# Altium PCB Meter50_v6.PcbDoc (part 2 of 3)
Units mil, origin at the board's own origin, x right, y up, seen from the top; angles counter-clockwise.
Board outline 6230.47 x 4006.06 mil, 2 copper layers (Top Layer, Top, Bottom Layer, Bottom); 337 components, 363 nets, 1191 pads, 241 vias.
Unrouted connection lines stored in the file: 2.
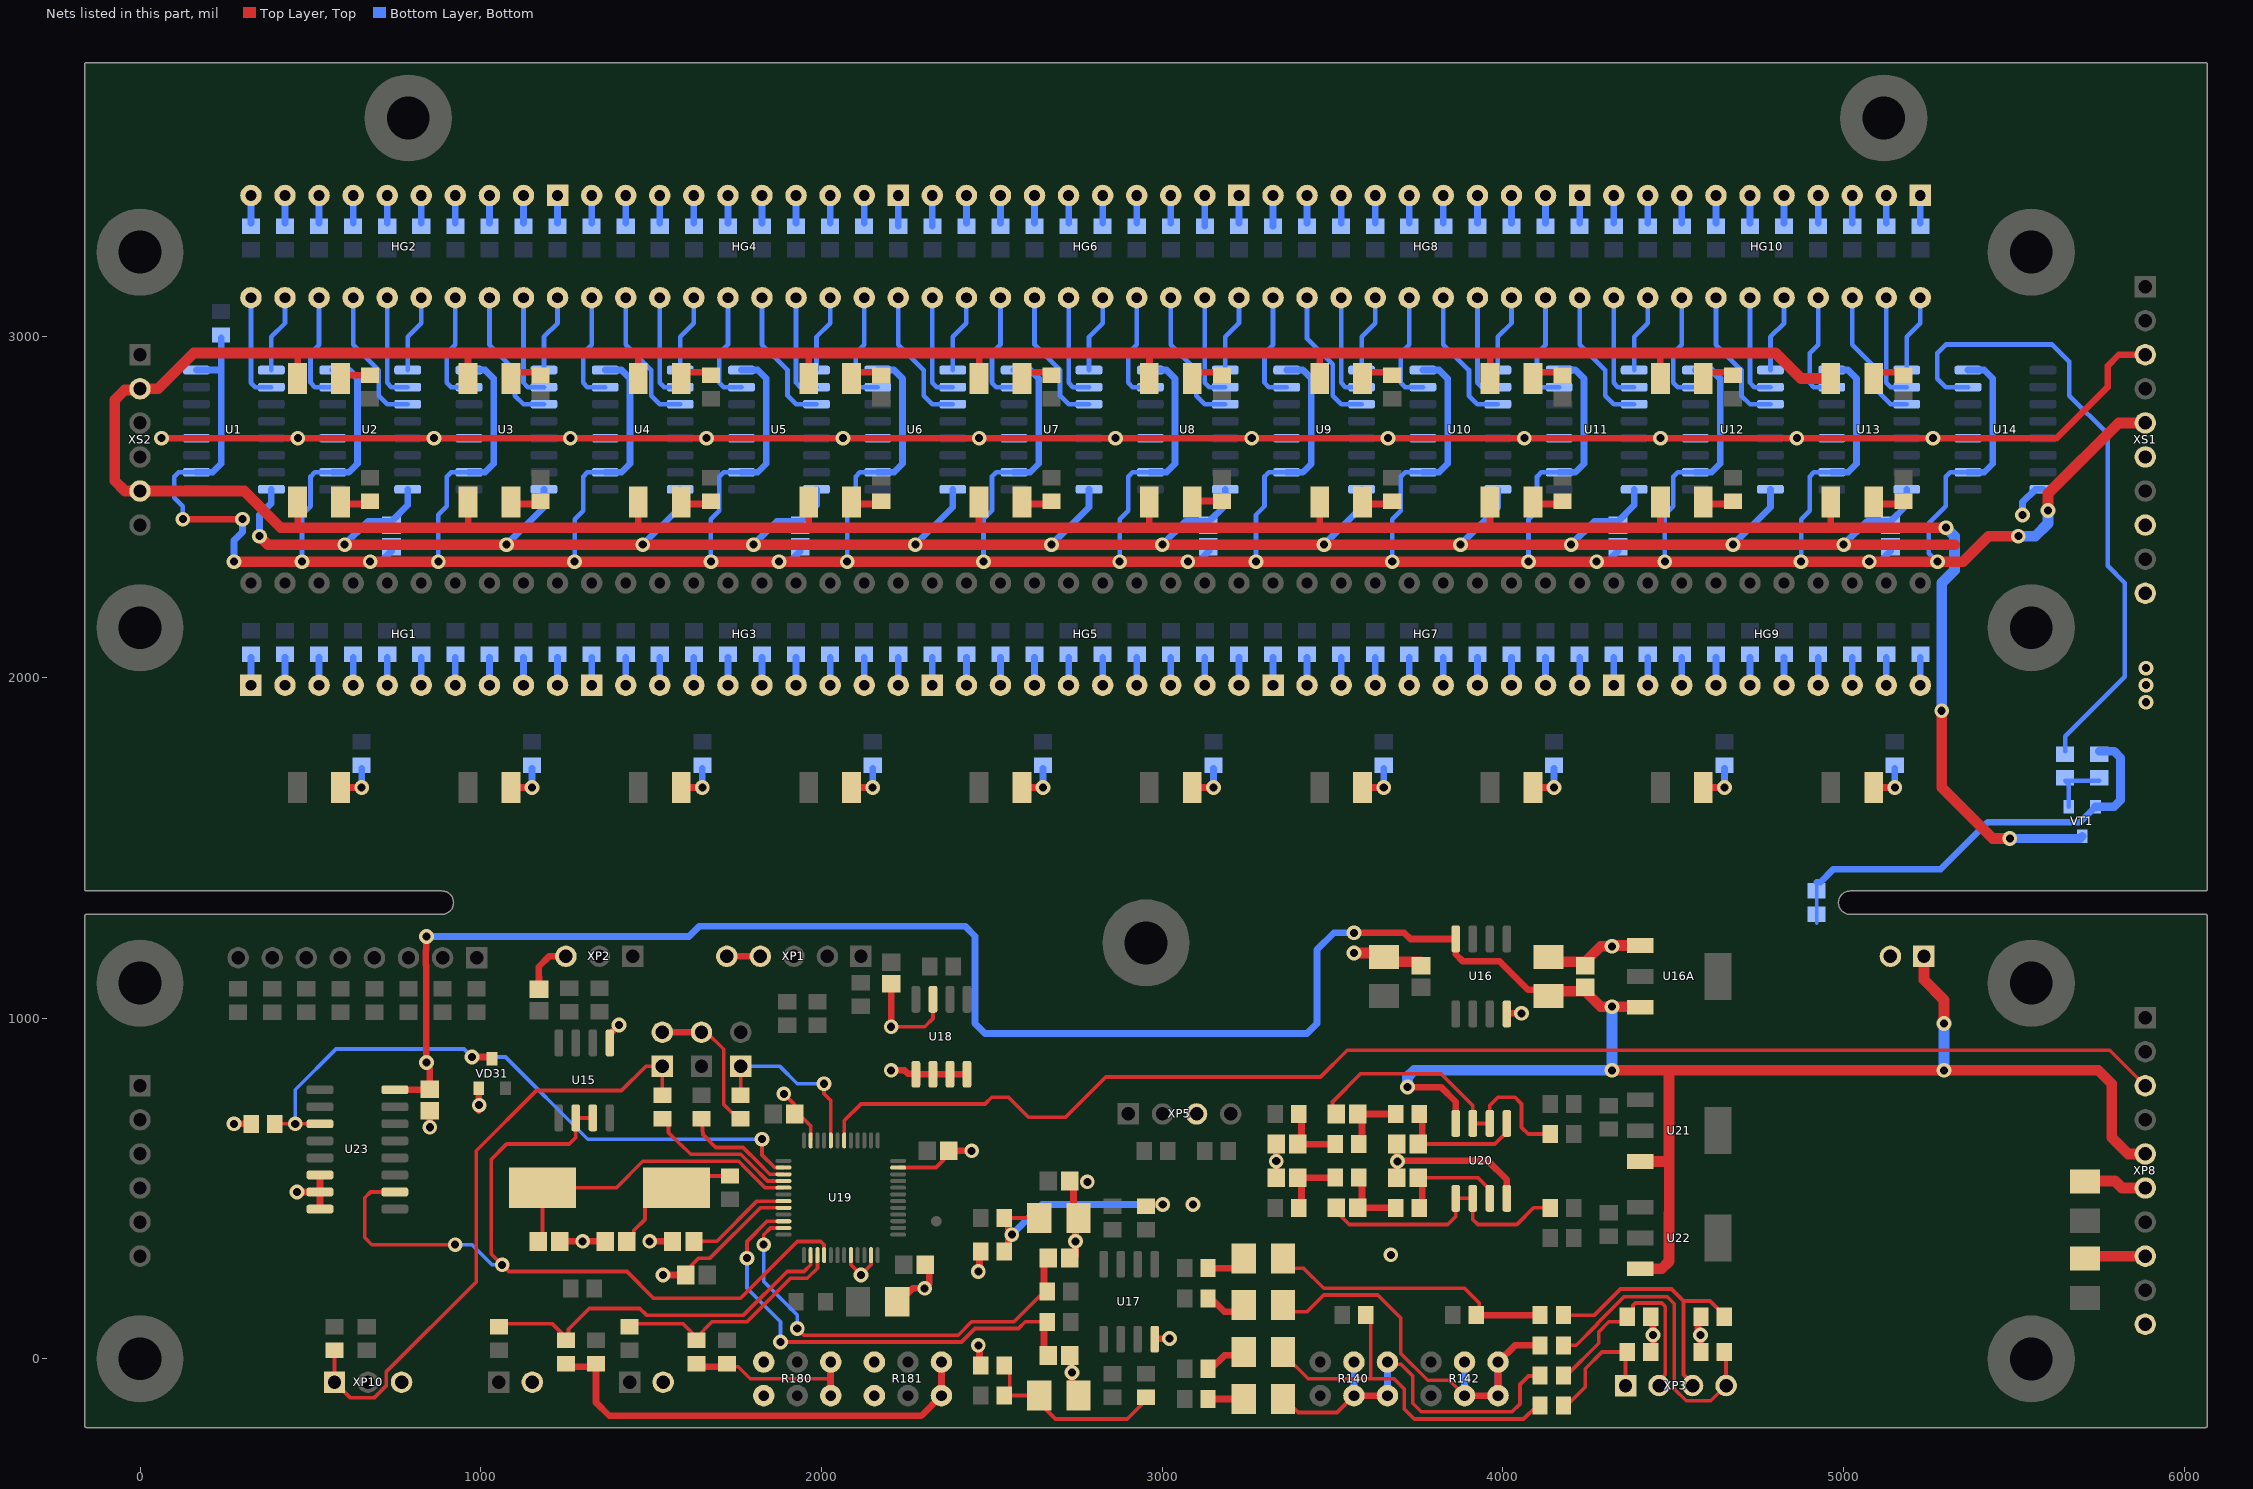
[diagram p2: the nets of this part, all layers, seen from the top]

## Via types
v1: diameter 43.31, hole 23.62, Top Layer, Top to Bottom Layer, Bottom, 241 vias

## Nets (pads, with @x,y where several pads share a name; then routed paths per layer and width w, separated by ;. In a path a pad name is that pad's centre, name@x,y a point inside that pad or via, vN(x,y) a via of type N, cw(c..) or ccw(c..) an arc to the next point about the centre after c; other vN are vias at no path point) (continued)
+5V: C1.2 C2.2 C3.2 C4.2 C5.2 R1.2 U1.10 U1.16 U2.10 U2.16 U3.10 U3.16 U4.10 U4.16 U5.10 U5.16 U6.10 U6.16 U7.10 U7.16 U8.10 U8.16 U9.10 U9.16 U10.10 U10.16 U11.10 U11.16 U12.10 U12.16 U13.10 U13.16 U14.10 U14.16 XS1.5 | length 16974.3
  Top Layer, Top w19.68: v1(125.59,2464.37) v1(300.59,2464.37)
  Top Layer, Top w31.5: v1(275.59,2339.37) v1(475.59,2339.37) v1(675.59,2339.37) v1(875.59,2339.37) v1(1275.59,2339.37) v1(1675.59,2339.37) v1(1875.59,2339.37) v1(2075.59,2339.37) v1(2475.59,2339.37) v1(2875.59,2339.37) v1(3075.59,2339.37) v1(3275.59,2339.37) v1(3675.59,2339.37) v1(4075.59,2339.37) v1(4275.59,2339.37) v1(4475.59,2339.37) v1(4875.59,2339.37) v1(5075.59,2339.37) v1(5275.59,2339.37) 5350.59,2339.37 5425.59,2414.37 v1(5513.09,2414.37) ; v1(5600.59,2489.37) 5600.59,2539.37 5808.07,2746.85 XS1.5@5885.83,2746.85
  Bottom Layer, Bottom w13.78: v1(125.59,2464.37) 125.59,2501.87 100.59,2526.87 100.59,2589.37 113.09,2601.87 U1.10@165.59,2601.87 ; v1(475.59,2339.37) 475.59,2476.87 500.59,2501.87 500.59,2589.37 513.09,2601.87 U2.10@565.59,2601.87 ; v1(875.59,2339.37) 875.59,2476.87 900.59,2501.87 900.59,2589.37 913.09,2601.87 U3.10@965.59,2601.87 ; v1(1275.59,2339.37) 1275.59,2464.37 1300.59,2489.37 1300.59,2589.37 1313.09,2601.87 U4.10@1365.59,2601.87 ; v1(1675.59,2339.37) 1675.59,2464.37 1700.59,2489.37 1700.59,2589.37 1713.09,2601.87 U5.10@1765.59,2601.87 ; v1(2075.59,2339.37) 2075.59,2476.87 2100.59,2501.87 2100.59,2589.37 2113.09,2601.87 U6.10@2165.59,2601.87 ; v1(2475.59,2339.37) 2475.59,2464.37 2500.59,2489.37 2500.59,2589.37 2513.09,2601.87 U7.10@2565.59,2601.87 ; v1(2875.59,2339.37) 2875.59,2464.37 2900.59,2489.37 2900.59,2589.37 2913.09,2601.87 U8.10@2965.59,2601.87 ; v1(3275.59,2339.37) 3275.59,2476.87 3300.59,2501.87 3300.59,2589.37 3313.09,2601.87 U9.10@3365.59,2601.87 ; v1(3675.59,2339.37) 3675.59,2464.37 3700.59,2489.37 3700.59,2589.37 3713.09,2601.87 U10.10@3765.59,2601.87 ; v1(4075.59,2339.37) 4075.59,2464.37 4100.59,2489.37 4100.59,2589.37 4113.09,2601.87 U11.10@4165.59,2601.87 ; v1(4475.59,2339.37) 4475.59,2476.87 4500.59,2501.87 4500.59,2589.37 4513.09,2601.87 U12.10@4565.59,2601.87 ; v1(4875.59,2339.37) 4875.59,2464.37 4900.59,2489.37 4900.59,2589.37 4913.09,2601.87 U13.10@4965.59,2601.87 ; U13.16@4963.09,2904.37 U13.16@4965.59,2901.87 ; v1(5275.59,2339.37) 5250.59,2364.37 5250.59,2451.87 5300.59,2501.87 5300.59,2589.37 5313.09,2601.87 U14.10@5365.59,2601.87
  Bottom Layer, Bottom w19.68: U1.10@165.59,2601.87 213.09,2601.87 238.09,2626.87 238.09,2901.87 ; U1.16@165.59,2901.87 238.09,2901.87 ; R1.2@238.09,2996.06 238.09,2901.87 ; v1(275.59,2339.37) 275.59,2401.87 300.59,2426.87 v1(300.59,2464.37) ; U2.10@565.59,2601.87 613.09,2601.87 638.09,2626.87 638.09,2876.87 613.09,2901.87 U2.16@565.59,2901.87 ; v1(675.59,2339.37) 706.4,2339.37 C1.2@738.09,2371.06 ; U3.10@965.59,2601.87 1013.09,2601.87 1038.09,2626.87 1038.09,2876.87 1013.09,2901.87 U3.16@965.59,2901.87 ; U4.10@1365.59,2601.87 1413.09,2601.87 1438.09,2626.87 1438.09,2876.87 1413.09,2901.87 U4.16@1365.59,2901.87 ; U5.10@1765.59,2601.87 1813.09,2601.87 1838.09,2626.87 1838.09,2876.87 1813.09,2901.87 U5.16@1765.59,2901.87 ; v1(1875.59,2339.37) 1906.4,2339.37 C2.2@1938.09,2371.06 ; U6.10@2165.59,2601.87 2213.09,2601.87 2238.09,2626.87 2238.09,2876.87 2213.09,2901.87 U6.16@2165.59,2901.87 ; U7.10@2565.59,2601.87 2613.09,2601.87 2638.09,2626.87 2638.09,2876.87 2613.09,2901.87 U7.16@2565.59,2901.87 ; U8.10@2965.59,2601.87 3013.09,2601.87 3038.09,2626.87 3038.09,2876.87 3013.09,2901.87 U8.16@2965.59,2901.87 ; v1(3075.59,2339.37) 3106.4,2339.37 C3.2@3138.09,2371.06 ; U9.10@3365.59,2601.87 3413.09,2601.87 3438.09,2626.87 3438.09,2876.87 3413.09,2901.87 U9.16@3365.59,2901.87 ; U10.10@3765.59,2601.87 3813.09,2601.87 3838.09,2626.87 3838.09,2876.87 3813.09,2901.87 U10.16@3765.59,2901.87 ; U11.10@4165.59,2601.87 4213.09,2601.87 4238.09,2626.87 4238.09,2876.87 4213.09,2901.87 U11.16@4165.59,2901.87 ; v1(4275.59,2339.37) 4306.4,2339.37 C4.2@4338.09,2371.06 ; U12.10@4565.59,2601.87 4613.09,2601.87 4638.09,2626.87 4638.09,2876.87 4613.09,2901.87 U12.16@4565.59,2901.87 ; U13.10@4965.59,2601.87 5013.09,2601.87 5038.09,2626.87 5038.09,2876.87 5013.09,2901.87 U13.16@4965.59,2901.87 ; v1(5075.59,2339.37) 5106.4,2339.37 C5.2@5138.09,2371.06 ; U14.10@5365.59,2601.87 5413.09,2601.87 5438.09,2626.87 5438.09,2876.87 5413.09,2901.87 U14.16@5365.59,2901.87
  Bottom Layer, Bottom w31.5: v1(5513.09,2414.37) 5563.09,2414.37 5600.59,2451.87 v1(5600.59,2489.37)
+5VP: C6.1 C7.2 C37.2 U16.8 U16A.3 U20.8 U21.3 U22.3 U23.16 XP4.1 XP8.5 | length 8699.1
  Top Layer, Top w19.68: v1(840.56,869.34) 840.59,1154.77 838.88,1156.49 838.88,1197.25 840.59,1198.97 v1(840.59,1239.37) ; v1(3562.99,1250) 3710.63,1250 3728.58,1232.05 U16.8@3862.01,1232.05 ; U20.8@3860.28,688.98 U20.8@3862.01,690.71
  Top Layer, Top w19.7: U23.16@748.09,789.37 836.77,789.37 C37.2@844.04,797.06 ; v1(840.56,869.34) 840.56,862.95 850.59,852.93 C37.2@850.59,790.87 ; v1(3720.47,797.24) 3818.9,797.24 3862.01,754.13 U20.8@3862.01,690.71 ; U16.8@3862.01,1232.05 3862.01,1187.2 3882.87,1166.34 3991.14,1166.34 4074.8,1082.68 4110.24,1082.68 C6.1@4133.86,1059.05
  Top Layer, Top w31.5: C6.1@4133.86,1059.05 4153.54,1078.74 4242.13,1078.74 4287.4,1033.46 v1(4320.87,1033.46) 4401.57,1033.46 U16A.3@4403.54,1031.5 ; v1(4320.87,846.46) 4488.19,846.46 ; U22.3@4403.54,263.78 4466.54,263.78 4488.19,285.43 4488.32,578.74 ; U21.3@4403.54,578.74 4488.32,578.74 ; XP4.1@5236.22,1181.1 5236.22,1112.2 5295.28,1053.15 v1(5295.28,984.25) ; XP8.5@5885.83,601.18 5835.83,601.18 5787.4,649.61 5787.4,807.09 5748.03,846.46 v1(5295.28,846.46) 4488.19,846.46 ; 4488.19,846.46 4488.19,580.71 4488.32,578.74
  Bottom Layer, Bottom w19.68: v1(840.59,1239.37) 1611.46,1239.37 1641.78,1269.69 2421.26,1269.69 2450.79,1240.16 2450.79,984.25 2480.31,954.72 3425.2,954.72 3454.72,984.25 3454.72,1200.79 3503.94,1250 v1(3562.99,1250)
  Bottom Layer, Bottom w31.5: v1(3720.47,797.24) 3720.47,826.77 3740.16,846.46 v1(4320.87,846.46) v1(4320.87,1033.46) ; v1(5295.28,846.46) v1(5295.28,984.25)
ADCL: C19.2 R159.1 U19.10 | length 1364.3
  Top Layer, Top w11: v1(1781.5,295.28) 1781.5,344.49 1840.55,403.54 U19.10@1888.78,403.54 ; v1(1879.92,49.21) 2411.42,49.21 2450.79,88.58 2578.74,88.58 2598.43,108.27 R159.1@2653.54,108.27
  Top Layer, Top w19.68: C19.2@2653.54,9.84 R159.1@2653.54,108.27
  Bottom Layer, Bottom w11: v1(1781.5,295.28) 1781.5,206.69 1879.92,108.27 v1(1879.92,49.21)
ADCR: C20.2 R160.1 U19.11 | length 1266.6
  Top Layer, Top w11: v1(1830.71,334.65) 1830.71,364.17 1850.39,383.86 U19.11@1888.78,383.86 ; v1(1929.13,88.58) 1948.82,68.9 2401.57,68.9 2440.94,108.27 2564.96,108.27 R160.1@2653.54,196.85
  Top Layer, Top w19.68: R160.1@2653.54,196.85 C20.2@2653.54,295.28
  Bottom Layer, Bottom w11: v1(1830.71,334.65) 1830.71,226.38 1929.13,127.95 v1(1929.13,88.58)
BKLT: VD1.1 VD2.1 VD4.1 VD5.1 VD7.1 VD8.1 VD10.1 VD11.1 VD13.1 VD14.1 VD16.1 VD17.1 VD19.1 VD20.1 VD22.1 VD23.1 VD25.1 VD26.1 VD28.1 VD29.1 VT1.3 XS2.2 XS2.5 | length 13488.5
  Top Layer, Top w19.68: VD4.1@962.6,2876.87 962.6,2951.38 963.09,2951.87 ; VD7.1@1462.6,2876.87 1462.6,2951.38 1463.09,2951.87 ; VD10.1@1962.6,2876.87 1963.09,2877.36 1963.09,2951.87 ; VD13.1@2462.6,2876.87 2463.09,2877.36 2463.09,2951.87 ; VD16.1@2962.6,2876.87 2963.09,2877.36 2963.09,2951.87 ; VD19.1@3462.6,2876.87 3462.6,2951.38 3463.09,2951.87 ; VD22.1@3962.6,2876.87 3963.09,2877.36 3963.09,2951.87 ; VD25.1@4462.6,2876.87 4462.6,2951.38 4463.09,2951.87
  Top Layer, Top w19.7: VD2.1@462.6,2514.37 462.6,2439.86 463.09,2439.37 ; VD1.1@462.6,2876.87 463.09,2877.36 463.09,2951.87 ; 963.09,2439.37 VD5.1@963.09,2513.88 ; VD8.1@1462.6,2514.37 1462.6,2439.86 1463.09,2439.37 ; VD11.1@1962.6,2514.37 1962.6,2439.86 1963.09,2439.37 ; VD14.1@2462.6,2514.37 2462.6,2439.86 2463.09,2439.37 ; VD17.1@2962.6,2514.37 2962.6,2439.86 2963.09,2439.37 ; VD20.1@3462.6,2514.37 3462.6,2439.86 3463.09,2439.37 ; VD23.1@3962.6,2514.37 3962.6,2439.86 3963.09,2439.37 ; VD26.1@4462.6,2514.37 4463.09,2513.88 4463.09,2439.37 ; VD29.1@4962.6,2514.37 4962.6,2439.86 4963.09,2439.37
  Top Layer, Top w31.5: VD28.1@4962.6,2876.87 4875.59,2876.87 4800.59,2951.87 4463.09,2951.87 3963.09,2951.87 3463.09,2951.87 2963.09,2951.87 2463.09,2951.87 1963.09,2951.87 1463.09,2951.87 963.09,2951.87 463.09,2951.87 158.09,2951.87 53.07,2846.85 XS2.2@0,2846.85 -3.22,2843.63 -45.15,2843.63 -74.41,2814.37 -74.41,2576.87 -44.39,2546.85 XS2.5@0,2546.85 305.61,2546.85 413.09,2439.37 463.09,2439.37 963.09,2439.37 1463.09,2439.37 1963.09,2439.37 2463.09,2439.37 2963.09,2439.37 3463.09,2439.37 3963.09,2439.37 4463.09,2439.37 4963.09,2439.37 v1(5300.59,2439.37) ; v1(5288.09,1901.87) 5288.09,1676.87 5438.09,1526.87 v1(5488.09,1526.87)
  Bottom Layer, Bottom w25.6: v1(5488.09,1526.87) 5693.9,1526.87 VT1.3@5700.59,1533.56
  Bottom Layer, Bottom w31.5: v1(5288.09,1901.87) 5288.09,2276.87 5325.59,2314.37 5325.59,2414.37 v1(5300.59,2439.37)
BLK: R105.1 U14.15 | length 1877.9
  Bottom Layer, Bottom w13.78: U14.15@5365.59,2851.87 5300.59,2851.87 5275.59,2876.87 5275.59,2951.87 5300.59,2976.87 5613.09,2976.87 5663.09,2926.87 5663.09,2826.87 5775.59,2714.37 5775.59,2326.87 5825.59,2276.87 5825.59,2001.87 5650.59,1826.87 R105.1@5650.59,1782.68
DACBL: J3.1 R171.1 U19.14 | length 1086.6
  Top Layer, Top w11: R171.1@1053.15,102.36 1210.63,102.36 J3.1@1250,62.99 ; J3.1@1250,54.13 J3.1@1250,62.99 ; J3.1@1253.94,62.99 J3.1@1250,62.99 ; U19.14@1968.5,304.13 1968.5,275.59 1948.82,255.91 1899.61,255.91 1771.65,127.95 1486.22,127.95 1466.54,147.64 1318.86,147.64 1258.05,86.83 1258.05,71.04 J3.1@1250,62.99
DACUV: J1.1 R172.1 U19.15 | length 689.9
  Top Layer, Top w11: R172.1@1437.01,102.36 1594.49,102.36 1633.86,62.99 1679.13,108.27 1781.5,108.27 1909.45,236.22 1958.66,236.22 1988.19,265.75 U19.15@1988.19,304.13
DIR: U15.2 U15.3 U19.16 U23.10 | length 2443.7
  Top Layer, Top w11: U23.10@748.09,489.37 676.38,489.37 659.45,472.44 659.45,355.51 680.32,334.65 v1(925.2,334.65) ; U15.3@1329.13,706.93 U15.2@1279.13,706.93 1279.13,649.21 1259.84,629.92 1076.14,629.92 1031,584.78 1031,307.58 v1(1062.99,275.59) 1082.68,255.91 1429.06,255.91 1507.8,177.17 1761.81,177.17 1929.02,344.37 1998.15,344.37 2007.87,334.65 U19.16@2007.87,304.13
  Bottom Layer, Bottom w11: v1(925.2,334.65) 974.41,334.65 1033.46,275.59 v1(1062.99,275.59)
GNDD: C1.1 C2.1 C3.1 C4.1 C5.1 C6.2 C7.1 C12.2 C13.1 C14.1 C15.1 C16.2 C17.2 C18.2 C19.1 C20.1 C21.1 C22.1 C23.1 C24.1 C25.1 C26.1 C27.1 C28.1 C31.1 C32.1 C33.2 C34.2 C35.1 C36.1 C37.1 JP1.2 JP2.2 pad.0@1830.71,-108.27 pad.0@2155.51,-108.27 R106.1 R134.1 R135.1 R155.1 R157.1 R162.1 R180.1 R181.1 R182.1 R183.1 R195.1 R200.1 R200.2 U1.8 U2.8 U3.8 U4.8 U5.8 U6.8 U7.8 U8.8 U9.8 U10.8 U11.8 U12.8 U13.8 U14.8 U15.5 U16.4 U16A.1 U17.4 U18.1 U18.2 U18.3 U18.4 U18.7 U19.8 U19.20 U19.23 U19.35 U19.47 U20.4 U23.6 U23.7 U23.8 VD31.1 VT1.2 XP1.4 XP1.5 XP2.3 XP4.2 XP5.3 XP6.2 XP7.2 XP8.6 XP8.8 XP8.10 XP10.3 XS1.6 XS1.8 XS1.10 | length 14548.2
  Top Layer, Top w11: C14.1@1590.55,246.06 1639.76,295.28 1673.23,295.28 1820.87,442.91 U19.8@1888.78,442.91 ; JP2.2@1663.09,958.12 1713.09,908.12 1713.09,746.06 R162.1@1763.09,696.06 ; v1(1889.76,777.56) 1919.29,748.03 1919.29,732.28 1968.5,683.07 U19.47@1968.5,640.75 ; U19.20@2086.61,304.13 2086.61,275.59 v1(2116.14,246.06) 2145.67,275.59 U19.23@2145.67,304.13 ; v1(2204.72,974.41) 2303.15,974.41 2327.36,998.62 U18.7@2327.36,1054.88 ; U19.35@2225.39,561.02 2336.61,561.02 C22.1@2385.83,610.24
  Top Layer, Top w19.68: v1(275.59,689.37) R195.1@326.69,689.37 ; v1(460.59,489.37) U23.7@528.09,489.37 ; U23.8@528.09,439.37 U23.7@528.09,489.37 ; U23.6@528.09,539.37 U23.7@528.09,489.37 ; v1(850.59,679.37) C37.1@850.59,727.87 ; v1@994.09,728.35 VD31.1@994.09,793.31 ; C25.1@1171.26,1096.46 1170.28,1150.59 1200.79,1181.1 XP2.3@1250,1181.1 ; C36.1@1244.09,344.49 v1(1299.21,344.49) C35.1@1354.33,344.49 ; U15.5@1379.13,926.93 1379.13,953.5 1405,979.37 v1(1405.59,979.37) ; v1(1496.06,344.49) C24.1@1551.18,344.49 ; v1(1535.43,246.06) C14.1@1590.55,246.06 ; JP1.2@1563.09,958.12 JP2.2@1663.09,958.12 ; XP1.5@1722.44,1181.1 XP1.4@1820.87,1181.1 ; v1(2204.72,846.46) 2244.09,846.46 2253.94,836.61 2275.63,836.61 U18.1@2277.36,834.88 U18.2@2327.36,834.88 U18.3@2377.36,834.88 U18.4@2427.36,834.88 ; v1(2204.72,974.41) C26.1@2204.72,1088.58 ; C18.2@2228.35,167.32 2267.72,206.69 v1(2303.15,206.69) 2316.93,220.47 C21.1@2316.93,275.59 ; C22.1@2385.83,610.24 v1(2440.94,610.24) ; v1(2460.63,39.37) 2464.09,35.91 2464.09,-15.96 R155.1@2467.55,-19.42 ; v1(2460.63,255.91) 2464.01,259.29 2464.01,311.58 R157.1@2467.39,314.96 ; C19.1@2740.16,9.84 2731.97,1.65 2731.97,-37.01 v1(2735.59,-40.63) 2735.59,-84.02 C16.2@2759.84,-108.27 ; C20.1@2740.16,295.28 2746.06,301.18 v1(2746.06,344.49) 2746.06,399.61 2757.09,410.63 2759.84,413.39 2740.16,433.07 C15.1@2740.16,521.65 ; U17.4@2978.54,57.32 2980.28,59.06 v1(3021.65,59.06) ; C28.1@3335.12,543.78 C27.1@3335.12,617.64 ; C32.1@3677.17,531.5 3689.78,544.11 v1@3689.78,578.56 ; C31.1@3685.59,621.5 3689.78,617.3 3689.78,580.18 v1(3690.59,579.37) ; C32.1@3688.98,531.5 3689.78,532.3 v1@3689.78,578.56 ; U16.4@4012.01,1012.05 4013.74,1013.78 v1(4055.12,1013.78) ; U20.4@4013.74,472.44 U20.4@4012.01,470.71 4012.01,525.39 3956.69,580.71 3691.93,580.71 v1(3690.59,579.37) ; v1(4440.59,69.37) R134.1@4440.59,105.94 ; R182.1@4442.91,19.68 v1@4442.91,69.37 ; v1@4572.83,69.37 R183.1@4572.83,108.27 ; R135.1@4580.59,27.44 4581.14,27.99 4581.14,68.82 v1(4580.59,69.37) ; v1@3689.78,578.56 v1(3690.59,579.37)
  Top Layer, Top w31.5: v1(350.59,2414.37) 375.59,2389.37 v1(600.59,2389.37) v1(1075.59,2389.37) v1(1475.59,2389.37) v1(1800.59,2389.37) v1(2275.59,2389.37) v1(2675.59,2389.37) v1(3000.59,2389.37) v1(3475.59,2389.37) v1(3875.59,2389.37) v1(4200.59,2389.37) v1(4675.59,2389.37) v1(5000.59,2389.37) 5325.59,2389.37 ; v1(3562.99,1190.94) 3645.67,1190.94 3651.57,1185.04 3671.26,1165.35 C13.1@3759.84,1165.35 ; C6.2@4133.86,1185.04 4136.61,1182.28 4153.54,1165.35 4242.13,1165.35 4287.4,1210.63 v1(4320.87,1210.63) 4322.83,1212.6 U16A.1@4403.54,1212.6 ; C34.2@5708.66,299.21 5710.63,301.18 XP8.8@5885.83,301.18 ; C33.2@5708.66,525.59 5712.6,521.65 5797.24,521.65 5817.72,501.18 XP8.6@5885.83,501.18
  Bottom Layer, Bottom w11: 4921.26,1278.58 R200.1@4921.26,1304.13 R200.2@4921.26,1373.03 4921.26,1398.58
  Bottom Layer, Bottom w19.68: v1(600.59,2389.37) 668.9,2457.68 738.09,2457.68 785.59,2505.18 U2.8@785.59,2551.87 ; v1(1075.59,2389.37) 1185.59,2499.37 U3.8@1185.59,2551.87 ; v1(1475.59,2389.37) 1585.59,2499.37 U4.8@1585.59,2551.87 ; v1(1800.59,2389.37) 1868.9,2457.68 1938.09,2457.68 1985.59,2505.18 U5.8@1985.59,2551.87 ; v1(2275.59,2389.37) 2385.59,2499.37 U6.8@2385.59,2551.87 ; v1(2675.59,2389.37) 2785.59,2499.37 U7.8@2785.59,2551.87 ; v1(3000.59,2389.37) 3068.9,2457.68 3138.09,2457.68 3185.59,2505.18 U8.8@3185.59,2551.87 ; v1(3475.59,2389.37) 3585.59,2499.37 U9.8@3585.59,2551.87 ; v1(3875.59,2389.37) 3985.59,2499.37 U10.8@3985.59,2551.87 ; v1(4200.59,2389.37) 4268.9,2457.68 4338.09,2457.68 4385.59,2505.18 U11.8@4385.59,2551.87 ; v1(4675.59,2389.37) 4785.59,2499.37 U12.8@4785.59,2551.87 ; 4921.26,1398.58 4932.05,1398.58 4970.47,1437.01 5285.43,1437.01 5423.23,1574.8 5694.59,1574.8 VT1.2@5739.96,1620.18 ; v1(5000.59,2389.37) 5068.9,2457.68 5138.09,2457.68 5185.59,2505.18 U13.8@5185.59,2551.87
  Bottom Layer, Bottom w19.7: v1(350.59,2414.37) 350.59,2476.87 385.59,2511.87 U1.8@385.59,2551.87 ; v1(5525.59,2476.87) 5525.59,2514.37 5563.09,2551.87 U14.8@5585.59,2551.87 ; VT1.2@5739.96,1615.94 VT1.2@5739.96,1620.18
  Bottom Layer, Bottom w25.59: VT1.2@5739.96,1620.18 5793.9,1620.18 5813.09,1639.37 5813.09,1764.37 5794.78,1782.68 R106.1@5750.59,1782.68
  other v1: 3671.26,305.12 3090.55,452.76 2780.59,519.37 3335.12,579.84 995.59,744.37 5888.09,1926.87 5888.09,1976.87 5888.09,2026.87
L01: HG2.11 U1.2 | length 315.2
  Bottom Layer, Bottom w13.78: HG2.11@325.59,3114.37 325.59,2864.37 338.09,2851.87 U1.2@385.59,2851.87
L02: HG2.12 U1.1 | length 229.1
  Bottom Layer, Bottom w13.78: U1.1@385.59,2901.87 385.59,2999.37 425.59,3039.37 HG2.12@425.59,3114.37
L03: HG2.13 U2.15 | length 330.5
  Bottom Layer, Bottom w13.78: HG2.13@525.59,3114.37 525.59,2976.87 500.59,2951.87 500.59,2864.37 513.09,2851.87 U2.15@565.59,2851.87
L04: HG2.14 U2.3 | length 413.9
  Bottom Layer, Bottom w13.78: HG2.14@625.59,3114.37 625.59,2976.87 700.59,2901.87 700.59,2826.87 725.59,2801.87 U2.3@785.59,2801.87
L05: HG2.15 U2.2 | length 315.2
  Bottom Layer, Bottom w13.78: HG2.15@725.59,3114.37 725.59,2864.37 738.09,2851.87 U2.2@785.59,2851.87
L06: HG2.16 U2.1 | length 229.1
  Bottom Layer, Bottom w13.78: U2.1@785.59,2901.87 785.59,2999.37 825.59,3039.37 HG2.16@825.59,3114.37
L07: HG2.17 U3.15 | length 330.5
  Bottom Layer, Bottom w13.78: HG2.17@925.59,3114.37 925.59,2976.87 900.59,2951.87 900.59,2864.37 913.09,2851.87 U3.15@965.59,2851.87
L08: HG2.18 U3.3 | length 413.9
  Bottom Layer, Bottom w13.78: HG2.18@1025.59,3114.37 1025.59,2976.87 1100.59,2901.87 1100.59,2826.87 1125.59,2801.87 U3.3@1185.59,2801.87
L09: HG2.19 U3.2 | length 315.2
  Bottom Layer, Bottom w13.78: HG2.19@1125.59,3114.37 1125.59,2864.37 1138.09,2851.87 U3.2@1185.59,2851.87
L10: HG2.20 U3.1 | length 229.1
  Bottom Layer, Bottom w13.78: U3.1@1185.59,2901.87 1185.59,2999.37 1225.59,3039.37 HG2.20@1225.59,3114.37
L11: HG4.11 U4.15 | length 330.5
  Bottom Layer, Bottom w13.78: HG4.11@1325.59,3114.37 1325.59,2976.87 1300.59,2951.87 1300.59,2864.37 1313.09,2851.87 U4.15@1365.59,2851.87
L12: HG4.12 U4.3 | length 413.9
  Bottom Layer, Bottom w13.78: HG4.12@1425.59,3114.37 1425.59,2976.87 1500.59,2901.87 1500.59,2826.87 1525.59,2801.87 U4.3@1585.59,2801.87
L13: HG4.13 U4.2 | length 315.2
  Bottom Layer, Bottom w13.78: HG4.13@1525.59,3114.37 1525.59,2864.37 1538.09,2851.87 U4.2@1585.59,2851.87
L14: HG4.14 U4.1 | length 229.1
  Bottom Layer, Bottom w13.78: U4.1@1585.59,2901.87 1585.59,2999.37 1625.59,3039.37 HG4.14@1625.59,3114.37
L15: HG4.15 U5.15 | length 330.5
  Bottom Layer, Bottom w13.78: HG4.15@1725.59,3114.37 1725.59,2976.87 1700.59,2951.87 1700.59,2864.37 1713.09,2851.87 U5.15@1765.59,2851.87
L16: HG4.16 U5.3 | length 413.9
  Bottom Layer, Bottom w13.78: HG4.16@1825.59,3114.37 1825.59,2976.87 1900.59,2901.87 1900.59,2826.87 1925.59,2801.87 U5.3@1985.59,2801.87
L17: HG4.17 U5.2 | length 315.2
  Bottom Layer, Bottom w13.78: HG4.17@1925.59,3114.37 1925.59,2864.37 1938.09,2851.87 U5.2@1985.59,2851.87
L18: HG4.18 U5.1 | length 229.1
  Bottom Layer, Bottom w13.78: U5.1@1985.59,2901.87 1985.59,2999.37 2025.59,3039.37 HG4.18@2025.59,3114.37
L19: HG4.19 U6.15 | length 330.5
  Bottom Layer, Bottom w13.78: HG4.19@2125.59,3114.37 2125.59,2976.87 2100.59,2951.87 2100.59,2864.37 2113.09,2851.87 U6.15@2165.59,2851.87
L20: HG4.20 U6.3 | length 413.9
  Bottom Layer, Bottom w13.78: HG4.20@2225.59,3114.37 2225.59,2976.87 2300.59,2901.87 2300.59,2826.87 2325.59,2801.87 U6.3@2385.59,2801.87
L21: HG6.11 U6.2 | length 315.2
  Bottom Layer, Bottom w13.78: HG6.11@2325.59,3114.37 2325.59,2864.37 2338.09,2851.87 U6.2@2385.59,2851.87
L22: HG6.12 U6.1 | length 229.1
  Bottom Layer, Bottom w13.78: U6.1@2385.59,2901.87 2385.59,2999.37 2425.59,3039.37 HG6.12@2425.59,3114.37
L23: HG6.13 U7.15 | length 330.5
  Bottom Layer, Bottom w13.78: HG6.13@2525.59,3114.37 2525.59,2976.87 2500.59,2951.87 2500.59,2864.37 2513.09,2851.87 U7.15@2565.59,2851.87
L24: HG6.14 U7.3 | length 413.9
  Bottom Layer, Bottom w13.78: HG6.14@2625.59,3114.37 2625.59,2976.87 2700.59,2901.87 2700.59,2826.87 2725.59,2801.87 U7.3@2785.59,2801.87
L25: HG6.15 U7.2 | length 315.2
  Bottom Layer, Bottom w13.78: HG6.15@2725.59,3114.37 2725.59,2864.37 2738.09,2851.87 U7.2@2785.59,2851.87
L26: HG6.16 U7.1 | length 229.1
  Bottom Layer, Bottom w13.78: U7.1@2785.59,2901.87 2785.59,2999.37 2825.59,3039.37 HG6.16@2825.59,3114.37
L27: HG6.17 U8.15 | length 330.5
  Bottom Layer, Bottom w13.78: HG6.17@2925.59,3114.37 2925.59,2976.87 2900.59,2951.87 2900.59,2864.37 2913.09,2851.87 U8.15@2965.59,2851.87
L28: HG6.18 U8.3 | length 413.9
  Bottom Layer, Bottom w13.78: HG6.18@3025.59,3114.37 3025.59,2976.87 3100.59,2901.87 3100.59,2826.87 3125.59,2801.87 U8.3@3185.59,2801.87
L29: HG6.19 U8.2 | length 315.2
  Bottom Layer, Bottom w13.78: HG6.19@3125.59,3114.37 3125.59,2864.37 3138.09,2851.87 U8.2@3185.59,2851.87
L30: HG6.20 U8.1 | length 229.1
  Bottom Layer, Bottom w13.78: U8.1@3185.59,2901.87 3185.59,2999.37 3225.59,3039.37 HG6.20@3225.59,3114.37
L31: HG8.11 U9.15 | length 330.5
  Bottom Layer, Bottom w13.78: HG8.11@3325.59,3114.37 3325.59,2976.87 3300.59,2951.87 3300.59,2864.37 3313.09,2851.87 U9.15@3365.59,2851.87
L32: HG8.12 U9.3 | length 413.9